# Altium PCB Goldstrike1_Rev01 2014 06 02.PcbDoc (part 4 of 5) (continued)
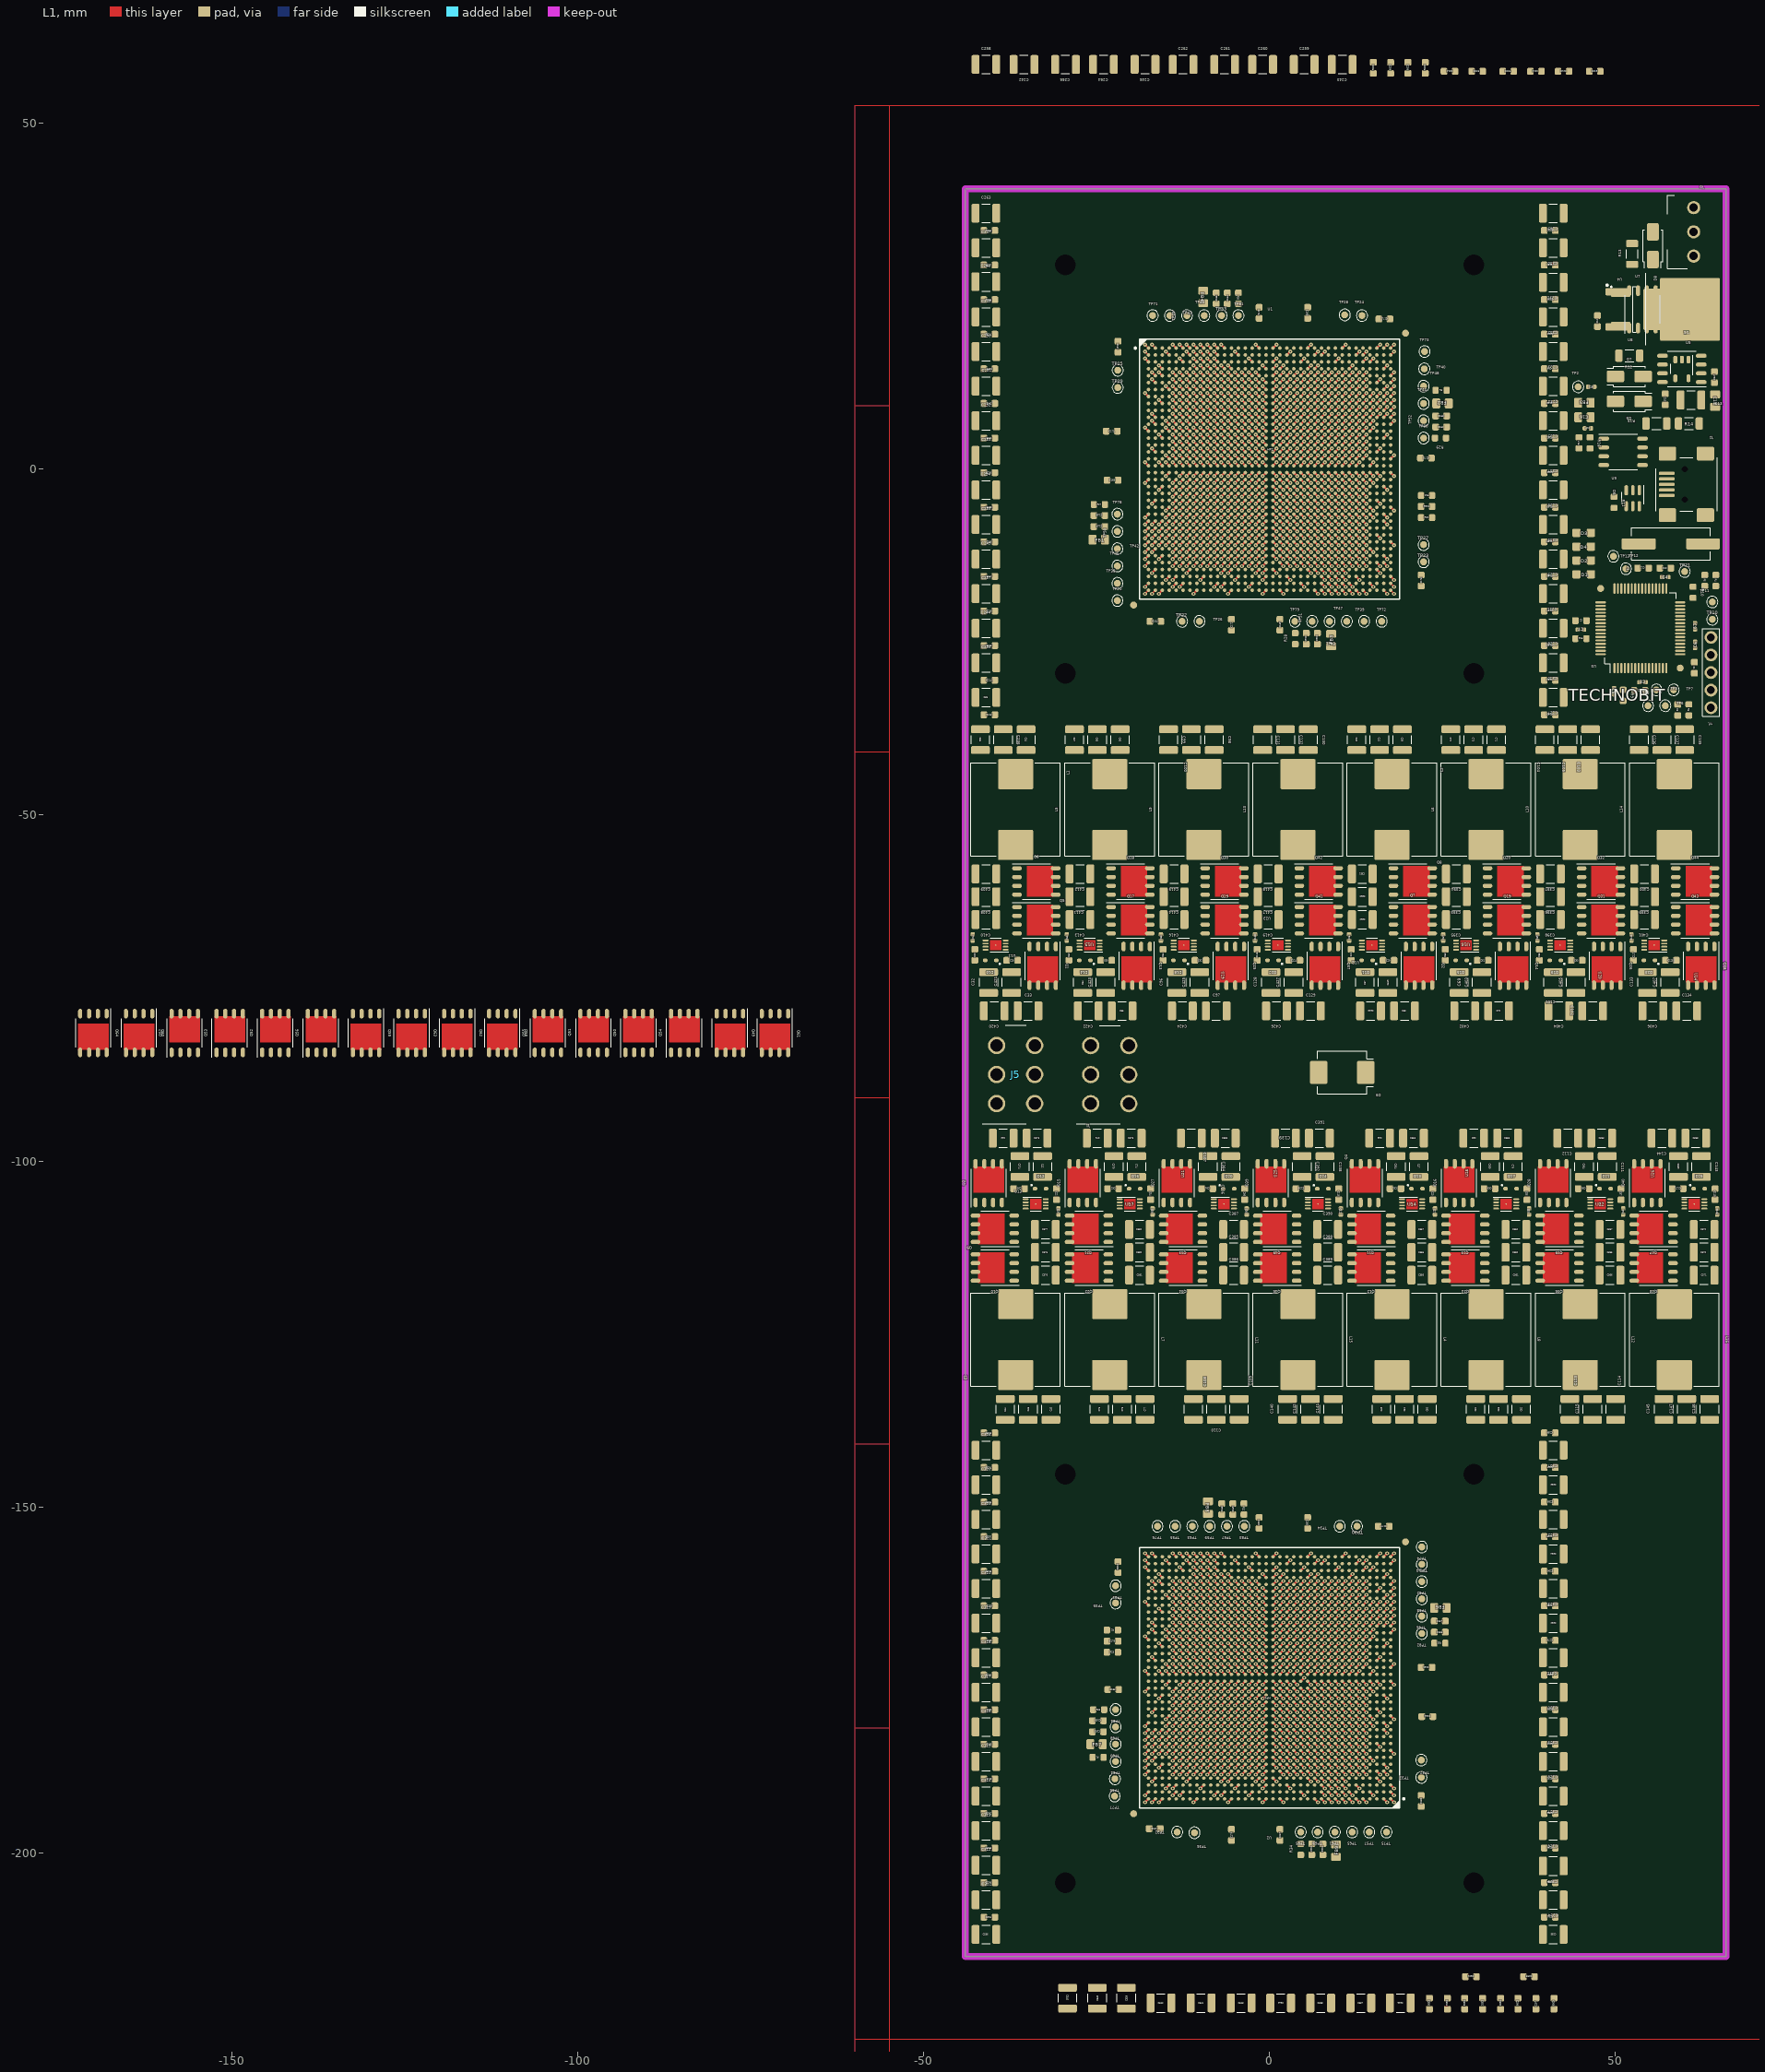
[diagram p0: L1 view]
## Nets (pads, with @x,y where several pads share a name; then routed paths per layer and width w, separated by ;. In a path a pad name is that pad's centre, name@x,y a point inside that pad or via, vN(x,y) a via of type N, cw(c..) or ccw(c..) an arc to the next point about the centre after c; other vN are vias at no path point) (continued)
 v1(6,-167.7) ; U2.AG13@5.5,-166.2 v1(6,-165.7) ; U2.AJ13@5.5,-164.2 v1(6,-163.7) ; U2.AL13@5.5,-162.2 v1(6,-161.7) ; U1.AN24@5.5,-14.5 v1(6,-15) ; U1.AL24@5.5,-12.5 v1(6,-13) ; U1.AJ24@5.5,-10.5 v1(6,-11) ; U1.AG24@5.5,-8.5 v1(6,-9) ; U1.AE24@5.5,-6.5 v1(6,-7) ; U1.AC24@5.5,-4.5 v1(6,-5) ; U1.AA24@5.5,-2.5 v1(6,-3) ; U1.W24@5.5,-0.5 v1(6,-1) ; U1.V24@5.5,0.5 v1(6,1) ; U1.T24@5.5,2.5 v1(6,3) ; U1.P24@5.5,4.5 v1(6,5) ; U1.M24@5.5,6.5 v1(6,7) ; U1.K24@5.5,8.5 v1(6,9) ; U1.H24@5.5,10.5 v1(6,11) ; U1.F24@5.5,12.5 v1(6,13) ; U2.A12@6.5,-192.2 v1(7,-192.7) ; U2.E12@6.5,-188.2 v1(7,-188.7) ; U2.G12@6.5,-186.2 v1(7,-186.7) ; U2.J12@6.5,-184.2 v1(7,-184.7) ; U2.L12@6.5,-182.2 v1(7,-182.7) ; U2.N12@6.5,-180.2 v1(7,-180.7) ; U2.R12@6.5,-178.2 v1(7,-178.7) ; U2.U12@6.5,-176.2 v1(7,-176.7) ; U2.Y12@6.5,-173.2 v1(7,-172.7) ; U2.AB12@6.5,-171.2 v1(7,-170.7) ; U2.AD12@6.5,-169.2 v1(7,-168.7) ; U2.AF12@6.5,-167.2 v1(7,-166.7) ; U2.AH12@6.5,-165.2 v1(7,-164.7) ; U2.AK12@6.5,-163.2 v1(7,-162.7) ; U2.AM12@6.5,-161.2 v1(7,-160.7) ; U1.AT25@6.5,-17.5 v1(7,-18) ; U1.AM25@6.5,-13.5 v1(7,-14) ; U1.AK25@6.5,-11.5 v1(7,-12) ; U1.AH25@6.5,-9.5 v1(7,-10) ; U1.AF25@6.5,-7.5 v1(7,-8) ; U1.AD25@6.5,-5.5 v1(7,-6) ; U1.AB25@6.5,-3.5 v1(7,-4) ; U1.Y25@6.5,-1.5 v1(7,-2) ; U1.U25@6.5,1.5 v1(7,2) ; U1.R25@6.5,3.5 v1(7,4) ; U1.N25@6.5,5.5 v1(7,6) ; U1.L25@6.5,7.5 v1(7,8) ; U1.J25@6.5,9.5 v1(7,10) ; U1.G25@6.5,11.5 v1(7,12) ; U1.E25@6.5,13.5 v1(7,14) ; U2.B11@7.5,-191.2 v1(8,-191.7) ; U2.F11@7.5,-187.2 v1(8,-187.7) ; U2.H11@7.5,-185.2 v1(8,-185.7) ; U2.K11@7.5,-183.2 v1(8,-183.7) ; U2.M11@7.5,-181.2 v1(8,-181.7) ; U2.P11@7.5,-179.2 v1(8,-179.7) ; U2.T11@7.5,-177.2 v1(8,-177.7) ; U2.V11@7.5,-175.2 v1(8,-175.7) ; U2.W11@7.5,-174.2 v1(8,-173.7) ; U2.AA11@7.5,-172.2 v1(8,-171.7) ; U2.AC11@7.5,-170.2 v1(8,-169.7) ; U2.AE11@7.5,-168.2 v1(8,-167.7) ; U2.AG11@7.5,-166.2 v1(8,-165.7) ; U2.AJ11@7.5,-164.2 v1(8,-163.7) ; U2.AL11@7.5,-162.2 v1(8,-161.7) ; U2.AR11@7.5,-158.2 v1(8,-157.7) ; U1.AR26@7.5,-16.5 v1(8,-17) ; U1.AL26@7.5,-12.5 v1(8,-13) ; U1.AJ26@7.5,-10.5 v1(8,-11) ; U1.AG26@7.5,-8.5 v1(8,-9) ; U1.AE26@7.5,-6.5 v1(8,-7) ; U1.AC26@7.5,-4.5 v1(8,-5) ; U1.AA26@7.5,-2.5 v1(8,-3) ; U1.W26@7.5,-0.5 v1(8,-1) ; U1.V26@7.5,0.5 v1(8,1) ; U1.T26@7.5,2.5 v1(8,3) ; U1.P26@7.5,4.5 v1(8,5) ; U1.M26@7.5,6.5 v1(8,7) ; U1.K26@7.5,8.5 v1(8,9) ; U1.H26@7.5,10.5 v1(8,11) ; U1.F26@7.5,12.5 v1(8,13) ; U1.B26@7.5,16.5 v1(8,17) ; U2.A10@8.5,-192.2 v1(9,-192.7) ; U2.E10@8.5,-188.2 v1(9,-188.7) ; U2.G10@8.5,-186.2 v1(9,-186.7) ; U2.J10@8.5,-184.2 v1(9,-184.7) ; U2.L10@8.5,-182.2 v1(9,-182.7) ; U2.N10@8.5,-180.2 v1(9,-180.7) ; U2.R10@8.5,-178.2 v1(9,-178.7) ; U2.U10@8.5,-176.2 v1(9,-176.7) ; U2.Y10@8.5,-173.2 v1(9,-172.7) ; U2.AB10@8.5,-171.2 v1(9,-170.7) ; U2.AD10@8.5,-169.2 v1(9,-168.7) ; U2.AF10@8.5,-167.2 v1(9,-166.7) ; U2.AH10@8.5,-165.2 v1(9,-164.7) ; U2.AK10@8.5,-163.2 v1(9,-162.7) ; U2.AM10@8.5,-161.2 v1(9,-160.7) ; U1.AT27@8.5,-17.5 v1(9,-18) ; U1.AM27@8.5,-13.5 v1(9,-14) ; U1.AK27@8.5,-11.5 v1(9,-12) ; U1.AH27@8.5,-9.5 v1(9,-10) ; U1.AF27@8.5,-7.5 v1(9,-8) ; U1.AD27@8.5,-5.5 v1(9,-6) ; U1.AB27@8.5,-3.5 v1(9,-4) ; U1.Y27@8.5,-1.5 v1(9,-2) ; U1.U27@8.5,1.5 v1(9,2) ; U1.R27@8.5,3.5 v1(9,4) ; U1.N27@8.5,5.5 v1(9,6) ; U1.L27@8.5,7.5 v1(9,8) ; U1.J27@8.5,9.5 v1(9,10) ; U1.G27@8.5,11.5 v1(9,12) ; U1.E27@8.5,13.5 v1(9,14) ; U2.B9@9.5,-191.2 v1(10,-191.7) ; U2.F9@9.5,-187.2 v1(10,-187.7) ; U2.H9@9.5,-185.2 v1(10,-185.7) ; U2.K9@9.5,-183.2 v1(10,-183.7) ; U2.M9@9.5,-181.2 v1(10,-181.7) ; U2.P9@9.5,-179.2 v1(10,-179.7) ; U2.T9@9.5,-177.2 v1(10,-177.7) ; U2.V9@9.5,-175.2 v1(10,-175.7) ; U2.W9@9.5,-174.2 v1(10,-173.7) ; U2.AA9@9.5,-172.2 v1(10,-171.7) ; U2.AC9@9.5,-170.2 v1(10,-169.7) ; U2.AE9@9.5,-168.2 v1(10,-167.7) ; U2.AG9@9.5,-166.2 v1(10,-165.7) ; U2.AJ9@9.5,-164.2 v1(10,-163.7) ; U2.AL9@9.5,-162.2 v1(10,-161.7) ; U1.AR28@9.5,-16.5 v1(10,-17) ; U1.AL28@9.5,-12.5 v1(10,-13) ; U1.AJ28@9.5,-10.5 v1(10,-11) ; U1.AG28@9.5,-8.5 v1(10,-9) ; U1.AE28@9.5,-6.5 v1(10,-7) ; U1.AC28@9.5,-4.5 v1(10,-5) ; U1.AA28@9.5,-2.5 v1(10,-3) ; U1.W28@9.5,-0.5 v1(10,-1) ; U1.V28@9.5,0.5 v1(10,1) ; U1.T28@9.5,2.5 v1(10,3) ; U1.P28@9.5,4.5 v1(10,5) ; U1.M28@9.5,6.5 v1(10,7) ; U1.K28@9.5,8.5 v1(10,9) ; U1.H28@9.5,10.5 v1(10,11) ; U1.F28@9.5,12.5 v1(10,13) ; U2.E8@10.5,-188.2 v1(11,-188.7) ; U2.G8@10.5,-186.2 v1(11,-186.7) ; U2.J8@10.5,-184.2 v1(11,-184.7) ; U2.L8@10.5,-182.2 v1(11,-182.7) ; U2.N8@10.5,-180.2 v1(11,-180.7) ; U2.R8@10.5,-178.2 v1(11,-178.7) ; U2.U8@10.5,-176.2 v1(11,-176.7) ; U2.Y8@10.5,-173.2 v1(11,-172.7) ; U2.AB8@10.5,-171.2 v1(11,-170.7) ; U2.AD8@10.5,-169.2 v1(11,-168.7) ; U2.AF8@10.5,-167.2 v1(11,-166.7) ; U2.AH8@10.5,-165.2 v1(11,-164.7) ; U2.AK8@10.5,-163.2 v1(11,-162.7) ; U2.AM8@10.5,-161.2 v1(11,-160.7) ; U2.AT8@10.5,-157.2 v1(11,-156.7) ; U1.AM29@10.5,-13.5 v1(11,-14) ; U1.AK29@10.5,-11.5 v1(11,-12) ; U1.AH29@10.5,-9.5 v1(11,-10) ; U1.AF29@10.5,-7.5 v1(11,-8) ; U1.AD29@10.5,-5.5 v1(11,-6) ; U1.AB29@10.5,-3.5 v1(11,-4) ; U1.Y29@10.5,-1.5 v1(11,-2) ; U1.U29@10.5,1.5 v1(11,2) ; U1.R29@10.5,3.5 v1(11,4) ; U1.N29@10.5,5.5 v1(11,6) ; U1.L29@10.5,7.5 v1(11,8) ; U1.J29@10.5,9.5 v1(11,10) ; U1.G29@10.5,11.5 v1(11,12) ; U1.E29@10.5,13.5 v1(11,14) ; U1.A29@10.5,17.5 v1(11,18) ; U2.F7@11.5,-187.2 v1(12,-187.7) ; U2.H7@11.5,-185.2 v1(12,-185.7) ; U2.K7@11.5,-183.2 v1(12,-183.7) ; U2.M7@11.5,-181.2 v1(12,-181.7) ; U2.P7@11.5,-179.2 v1(12,-179.7) ; U2.T7@11.5,-177.2 v1(12,-177.7) ; U2.V7@11.5,-175.2 v1(12,-175.7) ; U2.W7@11.5,-174.2 v1(12,-173.7) ; U2.AA7@11.5,-172.2 v1(12,-171.7) ; U2.AC7@11.5,-170.2 v1(12,-169.7) ; U2.AE7@11.5,-168.2 v1(12,-167.7) ; U2.AG7@11.5,-166.2 v1(12,-165.7) ; U2.AJ7@11.5,-164.2 v1(12,-163.7) ; U2.AL7@11.5,-162.2 v1(12,-161.7) ; U2.AN7@11.5,-160.2 v1(12,-159.7) ; U1.AL30@11.5,-12.5 v1(12,-13) ; U1.AJ30@11.5,-10.5 v1(12,-11) ; U1.AG30@11.5,-8.5 v1(12,-9) ; U1.AE30@11.5,-6.5 v1(12,-7) ; U1.AC30@11.5,-4.5 v1(12,-5) ; U1.AA30@11.5,-2.5 v1(12,-3) ; U1.W30@11.5,-0.5 v1(12,-1) ; U1.V30@11.5,0.5 v1(12,1) ; U1.T30@11.5,2.5 v1(12,3) ; U1.P30@11.5,4.5 v1(12,5) ; U1.M30@11.5,6.5 v1(12,7) ; U1.K30@11.5,8.5 v1(12,9) ; U1.H30@11.5,10.5 v1(12,11) ; U1.F30@11.5,12.5 v1(12,13) ; U1.D30@11.5,14.5 v1(12,15) ; U2.C6@12.5,-190.2 v1(13,-190.7) ; U2.E6@12.5,-188.2 v1(13,-188.7) ; U2.G6@12.5,-186.2 v1(13,-186.7) ; U2.J6@12.5,-184.2 v1(13,-184.7) ; U2.L6@12.5,-182.2 v1(13,-182.7) ; U2.N6@12.5,-180.2 v1(13,-180.7) ; U2.R6@12.5,-178.2 v1(13,-178.7) ; U2.U6@12.5,-176.2 v1(13,-176.7) ; U2.Y6@12.5,-173.2 v1(13,-172.7) ; U2.AB6@12.5,-171.2 v1(13,-170.7) ; U2.AD6@12.5,-169.2 v1(13,-168.7) ; U2.AF6@12.5,-167.2 v1(13,-166.7) ; U2.AH6@12.5,-165.2 v1(13,-164.7) ; U2.AK6@12.5,-163.2 v1(13,-162.7) ; U1.AP31@12.5,-15.5 v1(13,-16) ; U1.AM31@12.5,-13.5 v1(13,-14) ; U1.AK31@12.5,-11.5 v1(13,-12) ; U1.AH31@12.5,-9.5 v1(13,-10) ; U1.AF31@12.5,-7.5 v1(13,-8) ; U1.AD31@12.5,-5.5 v1(13,-6) ; U1.AB31@12.5,-3.5 v1(13,-4) ; U1.Y31@12.5,-1.5 v1(13,-2) ; U1.U31@12.5,1.5 v1(13,2) ; U1.R31@12.5,3.5 v1(13,4) ; U1.N31@12.5,5.5 v1(13,6) ; U1.L31@12.5,7.5 v1(13,8) ; U1.J31@12.5,9.5 v1(13,10) ; U1.G31@12.5,11.5 v1(13,12) ; U2.H5@13.5,-185.2 v1(14,-185.7) ; U2.K5@13.5,-183.2 v1(14,-183.7) ; U2.M5@13.5,-181.2 v1(14,-181.7) ; U2.P5@13.5,-179.2 v1(14,-179.7) ; U2.T5@13.5,-177.2 v1(14,-177.7) ; U2.V5@13.5,-175.2 v1(14,-175.7) ; U2.Y5@13.5,-173.2 v1(14,-172.7) ; U2.AA5@13.5,-172.2 v1(14,-171.7) ; U2.AC5@13.5,-170.2 v1(14,-169.7) ; U2.AE5@13.5,-168.2 v1(14,-167.7) ; U2.AG5@13.5,-166.2 v1(14,-165.7) ; U2.AJ5@13.5,-164.2 v1(14,-163.7) ; U2.AL5@13.5,-162.2 v1(14,-161.7) ; U2.AR5@13.5,-158.2 v1(14,-157.7) ; U1.AJ32@13.5,-10.5 v1(14,-11) ; U1.AG32@13.5,-8.5 v1(14,-9) ; U1.AE32@13.5,-6.5 v1(14,-7) ; U1.AC32@13.5,-4.5 v1(14,-5) ; U1.AA32@13.5,-2.5 v1(14,-3) ; U1.W32@13.5,-0.5 v1(14,-1) ; U1.U32@13.5,1.5 v1(14,2) ; U1.T32@13.5,2.5 v1(14,3) ; U1.P32@13.5,4.5 v1(14,5) ; U1.M32@13.5,6.5 v1(14,7) ; U1.K32@13.5,8.5 v1(14,9) ; U1.H32@13.5,10.5 v1(14,11) ; U1.F32@13.5,12.5 v1(14,13) ; U1.B32@13.5,16.5 v1(14,17) ; U2.G4@14.5,-186.2 v1(15,-186.7) ; U2.U4@14.5,-176.2 v1(15,-176.7) ; U2.AD4@14.5,-169.2 v1(15,-168.7) ; U2.AP4@14.5,-159.2 v1(15,-158.7) ; U1.AK33@14.5,-11.5 v1(15,-12) ; U1.Y33@14.5,-1.5 v1(15,-2) ; U1.N33@14.5,5.5 v1(15,6) ; U1.C33@14.5,15.5 v1(15,16) ; U2.D3@15.5,-189.2 v1(16,-189.7) ; U2.P3@15.5,-179.2 v1(16,-179.7) ; U2.V3@15.5,-175.2 v1(16,-175.7) ; U2.AA3@15.5,-172.2 v1(16,-171.7) ; U2.AL3@15.5,-162.2 v1(16,-161.7) ; U1.AN34@15.5,-14.5 v1(16,-15) ; U1.AC34@15.5,-4.5 v1(16,-5) ; U1.W34@15.5,-0.5 v1(16,-1) ; U1.T34@15.5,2.5 v1(16,3) ; U1.F34@15.5,12.5 v1(16,13) ; U2.A2@16.5,-192.2 v1(17,-192.7) ; U2.E2@16.5,-188.2 v1(17,-188.7) ; U2.L2@16.5,-182.2 v1(17,-182.7) ; U2.AF2@16.5,-167.2 v1(17,-166.7) ; U2.AH2@16.5,-165.2 v1(17,-164.7) ; U2.AT2@16.5,-157.2 v1(17,-156.7) ; U1.AM35@16.5,-13.5 v1(17,-14) ; U1.AF35@16.5,-7.5 v1(17,-8) ; U1.L35@16.5,7.5 v1(17,8) ; U1.J35@16.5,9.5 v1(17,10) ; U2.A1@17.5,-192.2 v1(18,-192.7) ; U2.B1@17.5,-191.2 v1(18,-191.7) ; U2.H1@17.5,-185.2 v1(18,-185.7) ; U2.V1@17.5,-175.2 v1(18,-175.7) ; U2.AE1@17.5,-168.2 v1(18,-167.7) ; U2.AG1@17.5,-166.2 v1(18,-165.7) ; U2.AR1@17.5,-158.2 v1(18,-157.7) ; U2.AT1@17.5,-157.2 v1(18,-156.7) ; U1.AJ36@17.5,-10.5 v1(18,-11) ; U1.W36@17.5,-0.5 v1(18,-1) ; U1.M36@17.5,6.5 v1(18,7) ; U1.K36@17.5,8.5 v1(18,9)
PLL_CFG_CLK: R26.1 U1.A8 U1.AJ1 U1.AT29 U1.H36 U2.A8 U2.AJ1 U2.AT29 U2.H36 U3.59 | length 5.7
  L1 w0.3: v1(-18,-185.7) U2.H36@-17.5,-185.2 ; v1(-18,-11) U1.AJ1@-17.5,-10.5 ; v1(-11,-156.7) U2.AT29@-10.5,-157.2 ; v1(-11,18) U1.A8@-10.5,17.5 ; U2.A8@10.5,-192.2 v1(11,-192.7) ; U1.AT29@10.5,-17.5 v1(11,-18) ; U2.AJ1@17.5,-164.2 v1(18,-163.7) ; U1.H36@17.5,10.5 v1(18,11)
PLL_CFG_DAT: U1.AG3 U1.AP27 U1.C10 U1.K34 U2.AG3 U2.AP27 U2.C10 U2.K34 U3.58 | length 5.7
  L1 w0.3: v1(-16,-183.7) U2.K34@-15.5,-183.2 ; v1(-16,-9) U1.AG3@-15.5,-8.5 ; v1(-9,-158.7) U2.AP27@-8.5,-159.2 ; v1(-9,16) U1.C10@-8.5,15.5 ; U2.C10@8.5,-190.2 v1(9,-190.7) ; U1.AP27@8.5,-15.5 v1(9,-16) ; U2.AG3@15.5,-166.2 v1(16,-165.7) ; U1.K34@15.5,8.5 v1(16,9)
PLL_REF_CLK: U1.AF4 U1.AN26 U1.D11 U1.L33 U2.AF4 U2.AN26 U2.D11 U2.L33 U3.46 U3.49 U3.50 U3.51 U3.52 U3.53 U3.54 U3.55 | length 5.7
  L1 w0.3: v1(-15,-182.7) U2.L33@-14.5,-182.2 ; v1(-15,-8) U1.AF4@-14.5,-7.5 ; v1(-8,-159.7) U2.AN26@-7.5,-160.2 ; v1(-8,15) U1.D11@-7.5,14.5 ; U2.D11@7.5,-189.2 v1(8,-189.7) ; U1.AN26@7.5,-14.5 v1(8,-15) ; U2.AF4@14.5,-167.2 v1(15,-166.7) ; U1.L33@14.5,7.5 v1(15,8)
PWM1H: U3.61 U12.5 U14.5
PWM1L: U3.60 U11.5 U13.5
PWM2H: U3.63 U16.5 U18.5
PWM2L: U3.62 U15.5 U17.5
PWM3H: U3.1 U20.5 U22.5
PWM3L: U3.64 U19.5 U21.5
PWM4H: U3.3 U24.5 U26.5
PWM4L: U3.2 U23.5 U25.5
RESET_COLD_L: R21.2 U1.AJ2 U1.AR29 U1.B8 U1.H35 U2.AJ2 U2.AR29 U2.B8 U2.H35 U3.8 | length 5.7
  L1 w0.3: v1(-17,-185.7) U2.H35@-16.5,-185.2 ; v1(-17,-11) U1.AJ2@-16.5,-10.5 ; v1(-11,-157.7) U2.AR29@-10.5,-158.2 ; v1(-11,17) U1.B8@-10.5,16.5 ; U2.B8@10.5,-191.2 v1(11,-191.7) ; U1.AR29@10.5,-16.5 v1(11,-17) ; U2.AJ2@16.5,-164.2 v1(17,-163.7) ; U1.H35@16.5,10.5 v1(17,11)
SPI_RXD: U1.A6 U1.AL1 U1.AT31 U1.F36 U2.A6 U2.AL1 U2.AT31 U2.F36 U3.6 | length 5.7
  L1 w0.3: v1(-18,-187.7) U2.F36@-17.5,-187.2 ; v1(-18,-13) U1.AL1@-17.5,-12.5 ; v1(-13,-156.7) U2.AT31@-12.5,-157.2 ; v1(-13,18) U1.A6@-12.5,17.5 ; U2.A6@12.5,-192.2 v1(13,-192.7) ; U1.AT31@12.5,-17.5 v1(13,-18) ; U2.AL1@17.5,-162.2 v1(18,-161.7) ; U1.F36@17.5,12.5 v1(18,13)
SPI_SCLK_IN: U1.AK2 U1.AR30 U1.B7 U1.G35 U2.AK2 U2.AR30 U2.B7 U2.G35 U3.4 | length 5.7
  L1 w0.3: v1(-17,-186.7) U2.G35@-16.5,-186.2 ; v1(-17,-12) U1.AK2@-16.5,-11.5 ; v1(-12,-157.7) U2.AR30@-11.5,-158.2 ; v1(-12,17) U1.B7@-11.5,16.5 ; U2.B7@11.5,-191.2 v1(12,-191.7) ; U1.AR30@11.5,-16.5 v1(12,-17) ; U2.AK2@16.5,-163.2 v1(17,-162.7) ; U1.G35@16.5,11.5 v1(17,12)
SPI_SS_IN_L_1: U1.AJ3 U3.32 | length 0.7
  L1 w0.3: v1(-16,-11) U1.AJ3@-15.5,-10.5
SPI_SS_IN_L_2: U1.AP29 U3.31 | length 0.7
  L1 w0.3: U1.AP29@10.5,-15.5 v1(11,-16)
SPI_SS_IN_L_3: U1.H34 U3.30 | length 0.7
  L1 w0.3: U1.H34@15.5,10.5 v1(16,11)
SPI_SS_IN_L_4: U1.C8 U3.29 | length 0.7
  L1 w0.3: v1(-11,16) U1.C8@-10.5,15.5
SPI_SS_IN_L_5: U2.AJ3 U3.28 | length 0.7
  L1 w0.3: U2.AJ3@15.5,-164.2 v1(16,-163.7)
SPI_SS_IN_L_6: U2.AP29 U3.27 | length 0.7
  L1 w0.3: v1(-11,-158.7) U2.AP29@-10.5,-159.2
SPI_SS_IN_L_7: U2.H34 U3.24 | length 0.7
  L1 w0.3: v1(-16,-185.7) U2.H34@-15.5,-185.2
SPI_SS_IN_L_8: U2.C8 U3.23 | length 0.7
  L1 w0.3: U2.C8@10.5,-190.2 v1(11,-190.7)
SPI_TXD: U1.AH4 U1.AN28 U1.D9 U1.J33 U2.AH4 U2.AN28 U2.D9 U2.J33 U3.5 | length 5.7
  L1 w0.3: v1(-15,-184.7) U2.J33@-14.5,-184.2 ; v1(-15,-10) U1.AH4@-14.5,-9.5 ; v1(-10,-159.7) U2.AN28@-9.5,-160.2 ; v1(-10,15) U1.D9@-9.5,14.5 ; U2.D9@9.5,-189.2 v1(10,-189.7) ; U1.AN28@9.5,-14.5 v1(10,-15) ; U2.AH4@14.5,-165.2 v1(15,-164.7) ; U1.J33@14.5,9.5 v1(15,10)